# Altium PCB 256sog - killed.PcbDoc (part 2 of 4)
Units mm, origin at the board's own origin, x right, y up, seen from the top; angles counter-clockwise.
Board outline 297 x 210 mm, 4 copper layers (Top Layer, Power Plane, Ground Plane, Bottom Layer); 217 components, 330 nets, 1251 pads, 678 vias.
Unrouted connection lines stored in the file: 1.
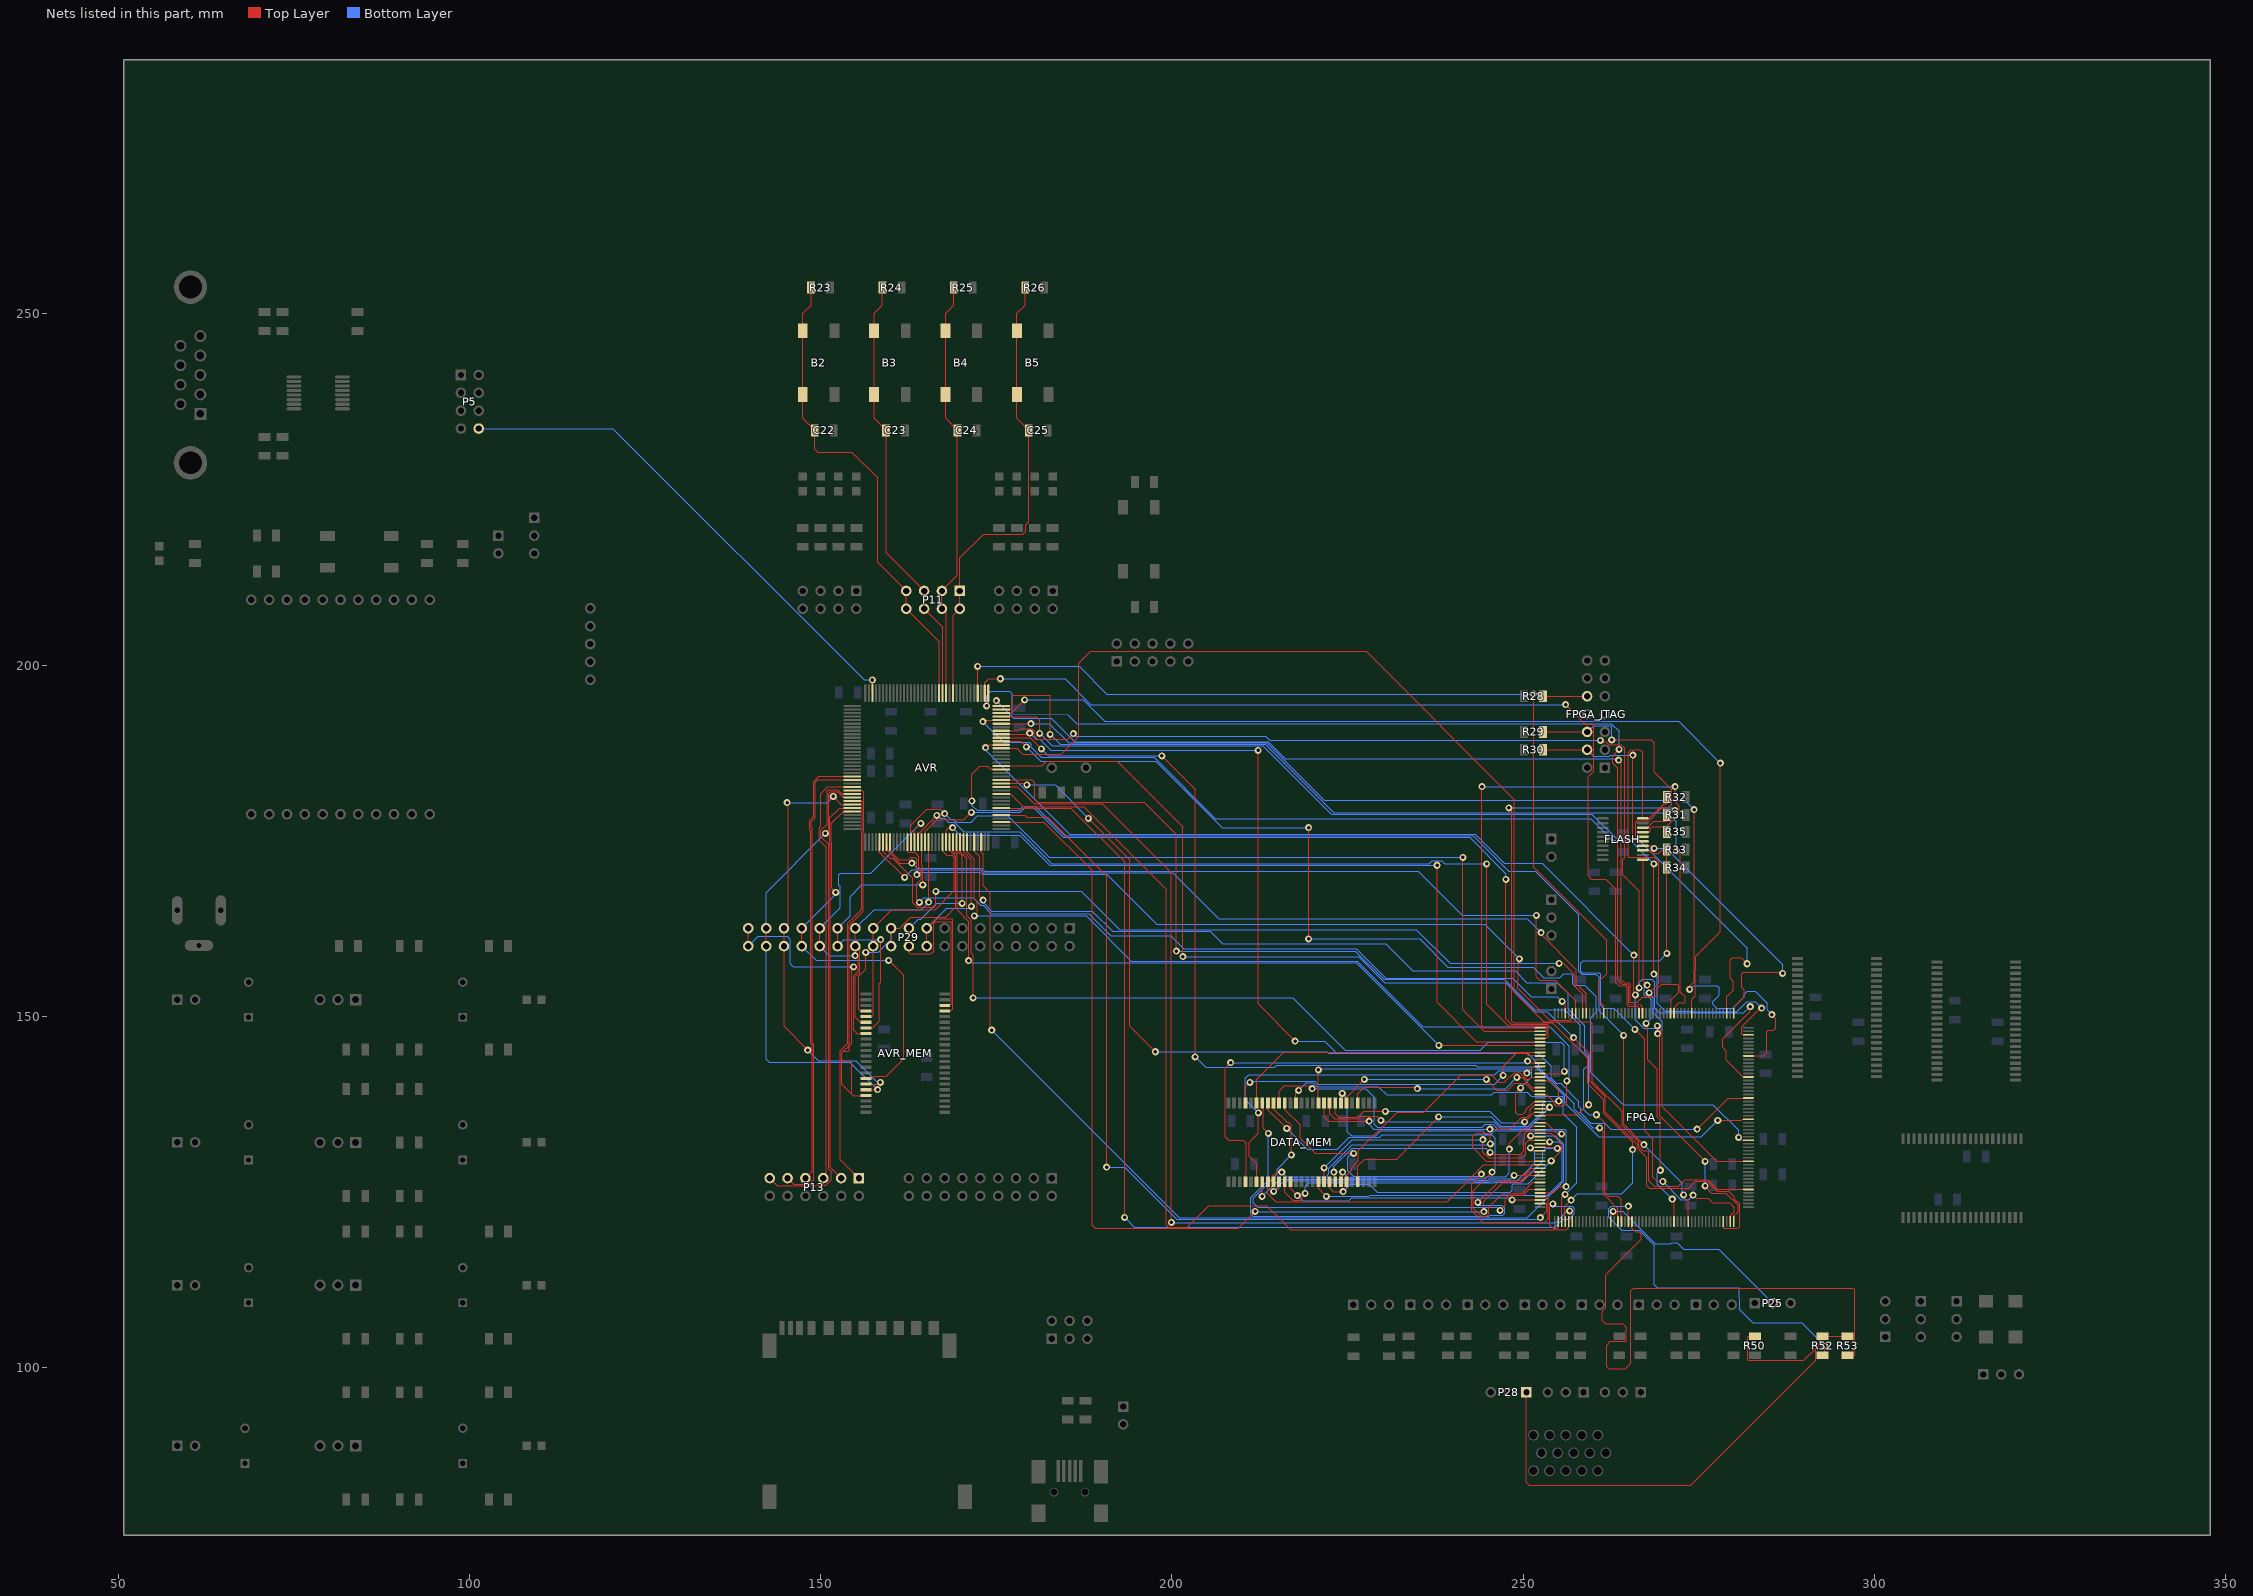
[diagram p4: the nets of this part, all layers, seen from the top]

## Via types
v1: diameter 1, hole 0.5, Top Layer to Bottom Layer, 678 vias

## Nets (pads, with @x,y where several pads share a name; then routed paths per layer and width w, separated by ;. In a path a pad name is that pad's centre, name@x,y a point inside that pad or via, vN(x,y) a via of type N, cw(c..) or ccw(c..) an arc to the next point about the centre after c; other vN are vias at no path point) (continued)
A8: AVR.101 AVR_MEM.19 P29.17 P29.18 | length 38.1
  Top Layer w0.1: P29.18@165.1,160.02 P29.17@165.1,162.56 166.486,163.946 168.74,163.946 168.777,163.909 168.777,151.104 168.453,150.78 AVR_MEM.19@167.652,150.78 ; AVR.101@170.35,174.82 170.35,173.431 171.45,172.331 v1(171.45,165.659)
  Bottom Layer w0.1: P29.17@165.1,162.56 167.977,165.437 171.228,165.437 v1(171.45,165.659)
A9: AVR.99 AVR_MEM.20 P29.19 P29.20 | length 44.6
  Top Layer w0.1: P29.19@162.56,162.56 P29.20@162.56,160.02 162.56,159.106 162.763,158.902 165.659,158.902 166.065,159.309 166.065,163.17 166.37,163.474 168.515,163.474 168.577,163.412 168.577,151.78 168.377,151.58 AVR_MEM.20@167.652,151.58 ; AVR.99@169.35,174.82 169.35,173.478 169.522,173.478 170.129,172.871 v1(170.129,166.091)
  Bottom Layer w0.1: P29.19@162.56,162.56 163.855,163.855 164.262,163.855 166.497,166.091 v1(170.129,166.091)
A10: AVR.97 AVR_MEM.26 P29.21 P29.22 | length 38.2
  Top Layer w0.1: v1(156.413,159.12) 156.413,156.699 155.423,155.709 155.423,151.009 155.651,150.78 AVR_MEM.26@156.452,150.78 ; P29.22@160.02,160.02 P29.21@160.02,162.56 161.239,162.56 162.839,164.16 167.767,164.16 169.212,165.605 169.212,172.803 168.35,173.664 AVR.97@168.35,174.82
  Bottom Layer w0.1: v1(156.413,159.12) 158.191,159.12 159.556,160.484 160.02,160.949 P29.21@160.02,162.56
A11: AVR.95 AVR_MEM.27 P29.23 P29.24 | length 35.3
  Top Layer w0.1: AVR_MEM.27@156.452,149.98 157.277,149.98 157.48,150.183 P29.24@157.48,160.02 P29.23@157.48,162.56 160.147,165.227 166.297,165.227 169.012,167.942 169.012,172.683 168.731,172.964 167.919,172.964 167.35,173.533 AVR.95@167.35,174.82
A12: AVR.91 AVR_MEM.28 P29.25 P29.26 | length 35.5
  Top Layer w0.1: P29.25@154.94,162.56 P29.26@154.94,160.02 155.565,159.395 155.565,156.251 154.94,155.626 154.94,149.891 155.651,149.18 AVR_MEM.28@156.452,149.18 ; v1(165.35,166.264) AVR.91@165.35,174.82
  Bottom Layer w0.1: P29.25@154.94,162.56 157.607,165.227 164.313,165.227 v1(165.35,166.264)
A13: AVR.89 AVR_MEM.29 P29.27 P29.28 | length 45.5
  Top Layer w0.1: P29.28@152.4,160.02 P29.27@152.4,162.56 ; AVR_MEM.29@156.452,148.38 157.378,148.38 158.344,149.346 158.344,154.66 158.547,154.863 v1(158.547,160.934) ; AVR.89@164.35,174.82 164.35,171.436 164.528,171.259 v1(164.528,168.732)
  Bottom Layer w0.1: P29.28@152.4,160.02 153.314,160.934 v1(158.547,160.934) ; P29.27@152.4,162.56 154.178,164.338 154.178,167.03 155.88,168.732 v1(164.528,168.732)
A14: AVR.87 AVR_MEM.30 P29.29 P29.30 | length 47.7
  Top Layer w0.1: P29.30@149.86,160.02 P29.29@149.86,162.56 ; v1(154.915,158.648) 155.338,158.225 155.338,156.424 154.737,155.823 154.737,148.063 155.219,147.58 AVR_MEM.30@156.452,147.58 ; AVR.87@163.35,174.82 163.35,176.558 v1(164.262,177.47)
  Bottom Layer w0.1: P29.30@149.86,160.02 151.232,158.648 v1(154.915,158.648) ; P29.29@149.86,162.56 152.806,165.506 152.806,168.478 152.603,168.681 152.603,170.155 152.806,170.358 157.15,170.358 v1(164.262,177.47)
A15: AVR.67 AVR_MEM.38 P29.31 P29.32 | length 58
  Top Layer w0.1: P29.32@147.32,160.02 P29.31@147.32,162.56 ; v1(152.146,167.665) 151.583,168.228 151.583,174.757 151.524,174.815 151.524,177.509 153.186,179.17 AVR.67@154.5,179.17 ; AVR_MEM.38@156.452,141.18 157.321,141.18 157.656,141.515 159.346,141.515 161.798,143.967 161.798,155.88 v1(159.679,157.998)
  Bottom Layer w0.1: P29.32@147.32,160.02 149.342,157.998 v1(159.679,157.998) ; P29.31@147.32,162.56 152.146,167.386 v1(152.146,167.665)
A16: AVR.65 AVR_MEM.39 P29.33 P29.34 | length 61.5
  Top Layer w0.1: v1(145.212,180.442) 145.415,180.238 145.415,163.195 P29.33@144.78,162.56 P29.34@144.78,160.02 144.78,148.59 v1(148.158,145.212) ; v1(151.79,181.331) 152.951,180.17 AVR.65@154.5,180.17 ; AVR_MEM.39@156.452,140.38 158.236,140.38 v1(158.496,140.64)
  Bottom Layer w0.1: v1(145.212,180.442) 150.901,180.442 v1(151.79,181.331) ; v1(148.158,145.212) 149.657,143.713 154.991,143.713 158.064,140.64 v1(158.496,140.64)
A17: AVR.63 AVR_MEM.40 P29.35 P29.36 | length 64.6
  Top Layer w0.1: P29.36@142.24,160.02 P29.35@142.24,162.56 ; v1(150.673,176.047) 151.124,176.499 151.124,181.731 151.384,181.991 152.4,181.991 153.221,181.17 AVR.63@154.5,181.17 ; AVR_MEM.40@156.452,139.58 v1(158.09,139.58)
  Bottom Layer w0.1: P29.36@142.24,160.02 142.24,143.916 142.646,143.51 154.16,143.51 v1(158.09,139.58) ; P29.35@142.24,162.56 142.24,167.615 v1(150.673,176.047)
A18: AVR.61 AVR_MEM.41 P29.37 P29.38 | length 91.3
  Top Layer w0.1: P29.38@139.7,160.02 P29.37@139.7,162.56 ; AVR.61@154.5,182.17 155.854,182.17 156.134,181.891 156.134,176.251 156.05,176.167 156.05,164.976 154.04,162.966 154.04,145.857 ; v1(154.686,157.074) 154.407,156.794 154.407,146.224 154.04,145.857 ; AVR_MEM.41@156.452,138.78 155.717,138.78 155.682,138.745 154.635,138.745 ; 153.005,143.938 153.005,144.822 ; 153.005,143.938 153.005,140.376 154.417,138.963 ; 153.005,143.938 153.213,143.73 154.146,143.73 154.417,143.459 154.417,138.963 ; 153.005,143.938 153.005,144.822 ; 153.005,144.822 153.213,145.03 ; 153.005,144.822 153.213,145.03 ; 153.213,145.03 153.956,145.03 154.04,145.114 154.04,145.857 ; 153.213,145.03 154.04,145.857 ; 154.417,138.963 154.635,138.745 ; 154.417,138.963 154.635,138.745
  Bottom Layer w0.1: P29.38@139.7,160.02 141.1,161.42 145.209,161.42 145.694,160.934 145.694,157.48 146.101,157.074 v1(154.686,157.074)
BLUE: P28.1 R50.2 R52.2 R53.2 | length 84.7
  Top Layer w0.1: P28.1@250.444,96.52 250.444,83.718 250.876,83.287 273.812,83.287 291.592,101.067 291.592,102.743 ; R50.2@282.956,104.474 282.042,104.474 281.94,104.372 281.94,101.168 282.042,101.067 289.916,101.067 291.592,102.743 ; R53.2@296.164,104.474 R52.2@292.608,104.474 292.303,104.474 292.303,103.454 ; 291.592,102.743 292.303,103.454 ; 291.592,102.743 292.303,103.454
BLUE0: FPGA_.69 P25.2 | length 29.8
  Top Layer w0.1: FPGA_.69@262.458,120.811 262.458,121.92 v1(262.788,122.25)
  Bottom Layer w0.1: v1(262.788,122.25) 264.16,122.25 268.769,117.642 270.98,117.642 271.159,117.82 271.909,117.82 272.839,116.891 277.825,116.891 P25.2@285.496,109.22
BLUE1: FPGA_.74 R52.1 | length 51.4
  Top Layer w0.1: FPGA_.74@264.958,120.811 v1(264.958,123.012) ; R52.1@292.608,101.774 292.913,101.774 v1(292.913,103.124)
  Bottom Layer w0.1: v1(264.958,123.012) 262.534,123.012 262.128,122.606 262.128,121.463 264.043,119.547 266.497,119.547 268.63,117.414 268.63,111.836 269.037,111.43 280.695,111.43 280.721,108.331 282.651,106.401 289.636,106.401 v1(292.913,103.124)
BLUE2: FPGA_.75 R53.1 | length 85.7
  Top Layer w0.1: FPGA_.75@265.458,120.811 265.458,119.888 265.999,119.347 266.407,119.347 266.766,118.988 266.766,118.262 261.758,113.255 261.758,108.545 261.264,108.052 261.264,106.705 261.722,106.248 264.16,106.248 264.652,105.756 264.652,103.759 262.407,103.759 261.874,103.226 261.874,100.127 262.128,99.873 264.516,99.873 265.303,100.66 265.303,110.947 265.709,111.354 296.977,111.354 297.18,111.15 297.18,101.876 297.078,101.774 R53.1@296.164,101.774
BTN0: AVR.11 B5.3 B5.4 C25.2 P11.1 P11.2 R26.1 | length 66.7
  Top Layer w0.1: AVR.11@168.85,196.02 168.85,198.302 168.844,198.308 168.844,207.071 P11.2@169.799,208.026 P11.1@169.799,210.566 169.799,215.265 173.177,218.643 178.791,218.643 179.197,219.05 179.197,219.964 179.625,220.392 C25.2@179.625,233.426 177.927,235.124 B5.4@177.927,238.506 B5.3@177.927,247.606 177.927,250.063 179.117,251.253 R26.1@179.117,253.746
BTN1: AVR.13 B4.3 B4.4 C24.2 P11.3 P11.4 R25.1 | length 60.1
  Top Layer w0.1: AVR.13@167.85,196.02 167.85,207.435 P11.4@167.259,208.026 P11.3@167.259,210.566 169.465,212.772 C24.2@169.465,233.426 167.767,235.124 B4.4@167.767,238.506 B4.3@167.767,247.606 167.767,250.063 168.957,251.253 R25.1@168.957,253.746
BTN2: AVR.14 B3.3 B3.4 C23.2 P11.5 P11.6 R24.1 | length 62.3
  Top Layer w0.1: R24.1@158.797,253.746 158.797,251.253 157.607,250.063 B3.3@157.607,247.606 B3.4@157.607,238.506 157.607,235.124 C23.2@159.305,233.426 159.305,215.98 P11.5@164.719,210.566 P11.6@164.719,208.026 167.35,205.395 AVR.14@167.35,196.02
BTN3: AVR.15 B2.3 B2.4 C22.2 P11.7 P11.8 R23.1 | length 69.1
  Top Layer w0.1: R23.1@148.637,253.746 148.637,251.253 147.447,250.063 B2.3@147.447,247.606 B2.4@147.447,238.506 147.447,235.124 C22.2@149.145,233.426 149.145,230.712 149.555,230.302 154.432,230.302 158.09,226.644 158.09,214.655 P11.7@162.179,210.566 P11.8@162.179,208.026 166.85,203.355 AVR.15@166.85,196.02
"CD - DAT3": AVR.62 P13.11 | length 69.8
  Top Layer w0.1: P13.11@142.748,127 143.848,125.9 149.313,125.9 149.416,126.003 150.692,126.003 151.486,126.797 151.486,127.94 151.13,128.295 151.13,174.493 150.023,175.601 150.023,176.481 150.924,177.383 150.924,182.155 151.065,182.296 152.4,182.296 153.026,181.67 AVR.62@154.5,181.67
CLK: AVR.57 P13.7 | length 63
  Top Layer w0.1: P13.7@147.828,127 148.819,127.991 148.819,145.877 148.59,146.105 148.59,176.354 148.426,176.518 148.426,177.932 148.994,178.5 148.994,183.406 149.758,184.17 AVR.57@154.5,184.17
CMD: AVR.58 P13.9 | length 66.8
  Top Layer w0.1: P13.9@145.288,127 146.188,126.1 148.35,126.1 149.019,126.768 149.019,146.077 148.819,146.277 148.819,176.718 148.626,176.911 148.626,177.732 149.194,178.3 149.194,183.309 149.555,183.67 AVR.58@154.5,183.67
CTS: AVR.34 P5.8 | length 72.7
  Top Layer w0.1: AVR.34@157.35,196.02 v1(157.35,197.891)
  Bottom Layer w0.1: P5.8@101.346,233.68 120.396,233.68 156.185,197.891 v1(157.35,197.891)
DAT0: AVR.60 P13.5 | length 60.2
  Top Layer w0.1: P13.5@150.368,127 150.774,127.406 150.774,174.1 149.823,175.052 149.823,176.897 150.026,177.101 150.026,181.677 151.019,182.67 AVR.60@154.5,182.67
DAT1: AVR.66 P13.3 | length 55.7
  Top Layer w0.1: P13.3@152.908,127 151.383,128.525 151.383,174.557 151.324,174.615 151.324,178.307 152.687,179.67 AVR.66@154.5,179.67
DAT2: AVR.64 P13.1 | length 57.4
  Top Layer w0.1: AVR.64@154.5,180.67 155.804,180.67 155.931,180.543 155.931,176.521 155.85,176.44 155.85,165.273 153.84,163.263 153.84,146.162 152.805,145.127 152.805,129.643 P13.1@155.448,127
DATA_A0: DATA_MEM.11 FPGA_.22 | length 46.8
  Top Layer w0.1: DATA_MEM.11@220.84,137.68 v1(220.84,142.392) ; v1(249.631,139.852) 248.905,139.126 248.905,136.271 249.123,136.053 249.936,136.053 250.358,136.475 250.358,136.703 251.541,137.886 FPGA_.22@252.383,137.886
  Bottom Layer w0.1: v1(220.84,142.392) 221.033,142.585 251.13,142.585 251.181,142.535 251.181,141.402 v1(249.631,139.852)
DATA_A1: DATA_MEM.10 FPGA_.23 | length 35.5
  Top Layer w0.1: DATA_MEM.10@221.64,137.68 221.64,135.738 222.275,135.103 v1(228.067,135.103) ; v1(245.237,133.985) 248.089,133.985 249.758,135.654 250.468,135.654 250.958,136.144 250.958,136.799 251.545,137.386 FPGA_.23@252.383,137.386
  Bottom Layer w0.1: v1(228.067,135.103) 228.067,134.655 228.737,133.985 v1(245.237,133.985)
DATA_A2: DATA_MEM.9 FPGA_.24 | length 36.6
  Top Layer w0.1: DATA_MEM.9@222.44,137.68 222.44,136.144 223.129,135.455 226.589,135.455 226.902,135.768 229.179,135.768 v1(229.718,135.23) ; FPGA_.24@252.383,136.886 253.548,136.886 v1(253.746,137.084)
  Bottom Layer w0.1: v1(229.718,135.23) 229.907,135.04 245.784,135.04 246.673,134.151 250.813,134.151 v1(253.746,137.084)
DATA_A3: DATA_MEM.8 FPGA_.25 | length 32.5
  Top Layer w0.1: DATA_MEM.8@223.24,137.68 223.24,136.144 223.729,135.655 226.416,135.655 227.26,136.5 v1(230.378,136.5) ; v1(250.177,135.001) 251.562,136.386 FPGA_.25@252.383,136.386
  Bottom Layer w0.1: v1(230.378,136.5) 245.245,136.5 246.888,134.857 250.032,134.857 v1(250.177,135.001)
DATA_A4: DATA_MEM.7 FPGA_.28 | length 42.4
  Top Layer w0.1: DATA_MEM.7@224.04,137.68 224.04,138.874 v1(224.231,139.065) ; FPGA_.28@252.383,134.886 253.251,134.886 254.838,133.299 v1(255.448,133.299)
  Bottom Layer w0.1: v1(224.231,139.065) 224.968,138.328 224.968,133.604 225.552,133.02 229.032,133.02 229.718,133.706 244.219,133.706 244.59,133.335 245.516,133.335 245.887,133.706 255.041,133.706 v1(255.448,133.299)
DATA_A5: DATA_MEM.48 FPGA_.29 | length 35.6
  Top Layer w0.1: DATA_MEM.48@224.04,126.48 224.04,127.61 v1(224.294,127.864) ; v1(248.006,131.14) 248.006,131.962 250.126,134.083 250.948,134.083 251.251,134.386 FPGA_.29@252.383,134.386
  Bottom Layer w0.1: v1(224.294,127.864) 225.098,127.059 243.596,127.059 243.752,126.903 244.427,126.903 244.727,127.203 247.472,127.203 248.006,127.737 v1(248.006,131.14)
DATA_A6: DATA_MEM.47 FPGA_.30 | length 35.9
  Top Layer w0.1: v1(223.037,127.838) 223.24,127.634 DATA_MEM.47@223.24,126.48 ; v1(245.262,130.658) 245.535,130.385 249.619,130.385 250.095,130.861 250.095,132.521 250.239,132.665 250.239,133.299 250.736,133.796 251.37,133.796 251.46,133.886 FPGA_.30@252.383,133.886
  Bottom Layer w0.1: v1(223.037,127.838) 223.037,128.676 225.628,131.267 244.653,131.267 v1(245.262,130.658)
DATA_A7: DATA_MEM.46 FPGA_.31 | length 42.6
  Top Layer w0.1: DATA_MEM.46@222.44,126.48 222.44,125.578 222.956,125.062 v1(224.351,125.062) ; FPGA_.31@252.383,133.386 254,133.386 255.488,131.898 255.488,130.952 v1(253.975,129.438)
  Bottom Layer w0.1: v1(224.351,125.062) 225.4,126.111 228.067,126.111 229.184,124.993 248.107,124.993 248.412,125.298 248.412,125.984 248.615,126.187 250.723,126.187 v1(253.975,129.438)
DATA_A8: DATA_MEM.45 FPGA_.33 | length 38.5
  Top Layer w0.1: DATA_MEM.45@221.64,126.48 v1(221.64,128.447) ; v1(244.246,132.486) 244.246,130.683 245.059,129.87 249.863,129.87 250.353,130.36 250.353,131.968 250.738,132.353 251.649,132.353 251.682,132.386 FPGA_.33@252.383,132.386
  Bottom Layer w0.1: v1(221.64,128.447) 225.679,132.486 v1(244.246,132.486)
DATA_A9: DATA_MEM.44 FPGA_.34 | length 45.5
  Top Layer w0.1: DATA_MEM.44@220.84,126.48 220.84,125.54 v1(221.971,124.409) ; FPGA_.34@252.383,131.886 253.476,131.886 v1(253.746,132.156)
  Bottom Layer w0.1: v1(221.971,124.409) 228.016,124.409 228.194,124.587 253.467,124.587 255.508,126.628 255.508,131.674 255.025,132.156 v1(253.746,132.156)
DATA_A10: DATA_MEM.38 FPGA_.35 | length 47.9
  Top Layer w0.1: DATA_MEM.38@216.04,126.48 216.04,125.016 217.195,123.861 218.237,123.861 218.516,124.14 218.516,124.384 v1(218.948,124.816) ; FPGA_.35@252.383,131.386 254.694,131.386 v1(254.838,131.242)
  Bottom Layer w0.1: v1(218.948,124.816) 218.948,125.806 219.456,126.314 242.826,126.314 242.837,126.303 245.922,126.303 246.009,126.39 249.784,126.39 252.781,129.388 252.781,130.835 253.187,131.242 v1(254.838,131.242)
DATA_A11: DATA_MEM.37 FPGA_.36 | length 44.8
  Top Layer w0.1: v1(214.478,125.095) 214.757,125.095 215.24,125.578 DATA_MEM.37@215.24,126.48 ; v1(251.003,131.318) 251.435,130.886 FPGA_.36@252.383,130.886
  Bottom Layer w0.1: v1(214.478,125.095) 216.002,126.619 243.026,126.619 243.142,126.503 245.127,126.503 245.242,126.619 249.149,126.619 251.658,129.128 251.658,130.663 v1(251.003,131.318)
DATA_A12: DATA_MEM.36 FPGA_.39 | length 50.7
  Top Layer w0.1: DATA_MEM.36@214.44,126.48 214.44,127.406 214.897,127.864 v1(215.621,127.864) ; v1(245.313,131.877) 245.313,133.02 244.936,133.397 243.278,133.397 242.773,132.893 242.773,131.369 244.756,129.386 FPGA_.39@252.383,129.386
  Bottom Layer w0.1: v1(215.621,127.864) 216.281,127.203 221.92,127.203 222.326,127.61 222.326,128.422 225.654,131.75 245.186,131.75 v1(245.313,131.877)
DATA_A13: DATA_MEM.35 FPGA_.40 | length 43.1
  Top Layer w0.1: DATA_MEM.35@213.64,126.48 213.64,124.765 214.744,123.661 239.163,123.661 244.388,128.886 FPGA_.40@252.383,128.886
DATA_A14: DATA_MEM.34 FPGA_.41 | length 43.4
  Top Layer w0.1: v1(212.84,124.397) DATA_MEM.34@212.84,126.48 ; v1(248.679,127.394) 250.036,127.394 251.028,128.386 FPGA_.41@252.383,128.386
  Bottom Layer w0.1: v1(212.84,124.397) 215.302,126.859 243.291,126.859 243.447,126.703 244.927,126.703 245.147,126.924 248.209,126.924 v1(248.679,127.394)
DATA_A15: DATA_MEM.21 FPGA_.42 | length 69.3
  Top Layer w0.1: DATA_MEM.21@212.84,137.68 212.84,136.928 212.954,136.814 212.954,134.112 v1(213.716,133.35) ; v1(243.535,123.546) 246.719,126.729 249.694,126.729 250.85,127.886 FPGA_.42@252.383,127.886
  Bottom Layer w0.1: v1(213.716,133.35) 213.716,126.721 211.176,124.181 211.176,121.92 211.522,121.573 245.058,121.573 245.227,121.742 247.091,121.742 247.335,121.986 247.335,122.497 247.328,122.504 247.328,122.733 246.922,123.139 243.738,123.139 243.535,123.342 v1(243.535,123.546)
DATA_A16: DATA_MEM.20 FPGA_.45 | length 60.3
  Top Layer w0.1: DATA_MEM.20@213.64,137.68 213.64,136.754 v1(216.332,134.061) ; v1(245.567,127.864) 242.875,125.171 242.875,122.733 244.034,121.573 244.711,121.573 245.058,121.92 245.058,122.833 247.033,124.808 249.781,124.808 251.358,126.386 FPGA_.45@252.383,126.386
  Bottom Layer w0.1: v1(216.332,134.061) 219.253,131.14 223.545,131.14 225.196,132.791 229.54,132.791 229.895,133.147 244.378,133.147 244.39,133.135 245.477,133.135 245.974,132.639 245.974,128.27 v1(245.567,127.864)
DATA_A17: DATA_MEM.19 FPGA_.47 | length 60.6
  Top Layer w0.1: DATA_MEM.19@214.44,137.68 214.44,136.855 216.37,134.925 216.586,134.925 216.992,134.518 v1(216.992,130.317) ; v1(246.685,122.403) 247.421,123.139 247.421,124.079 247.904,124.562 250.001,124.562 250.825,125.386 FPGA_.47@252.383,125.386
  Bottom Layer w0.1: v1(216.992,130.317) 214.971,128.295 214.971,127.518 211.59,124.137 211.59,123.48 212.194,122.875 246.213,122.875 v1(246.685,122.403)
DATA_A18: DATA_MEM.18 FPGA_.48 | length 60.2
  Top Layer w0.1: DATA_MEM.18@215.24,137.68 215.24,139.395 215.974,140.129 219.535,140.129 v1(219.939,139.725) ; FPGA_.48@252.383,124.886 254.294,124.886 255.194,125.786 v1(256.108,125.786)
  Bottom Layer w0.1: v1(219.939,139.725) 227.584,139.725 228.803,138.506 228.803,134.645 229.21,134.239 244.189,134.239 244.59,134.64 245.669,134.64 246.358,133.951 255.863,133.951 256.108,133.706 v1(256.108,125.786)
DATA_A19: DATA_MEM.17 FPGA_.49 | length 58.6
  Top Layer w0.1: DATA_MEM.17@216.04,137.68 216.04,136.755 218.237,134.558 218.237,132.664 220.396,130.505 v1(225.857,130.505) ; v1(244.043,127.559) 242.672,126.187 242.672,122.326 244.261,120.737 253.075,120.737 253.553,121.214 253.553,124.041 253.208,124.386 FPGA_.49@252.383,124.386
  Bottom Layer w0.1: v1(225.857,130.505) 225.577,130.505 225.019,129.946 225.019,128.016 225.775,127.259 243.744,127.259 v1(244.043,127.559)
DATA_A20: DATA_MEM.39 FPGA_.50 | length 37.5
  Top Layer w0.1: DATA_MEM.39@216.84,126.48 216.84,125.527 v1(217.856,124.511) ; v1(248.412,123.886) FPGA_.50@252.383,123.886
  Bottom Layer w0.1: v1(217.856,124.511) 218.607,123.759 225.154,123.759 225.591,124.196 248.102,124.196 v1(248.412,123.886)
DATA_I/O0: DATA_MEM.22 FPGA_.8 | length 45.4
  Top Layer w0.1: DATA_MEM.22@212.04,137.68 212.04,141.072 215.908,144.939 250.639,144.939 250.692,144.886 FPGA_.8@252.383,144.886
DATA_I/O1: DATA_MEM.24 FPGA_.9 | length 47.4
  Top Layer w0.1: DATA_MEM.24@210.44,137.68 210.44,140.006 v1(211.074,140.64) ; v1(247.142,141.605) 247.142,142.885 248.996,144.739 250.439,144.739 250.691,144.487 251.269,144.487 FPGA_.9@252.383,144.386
  Bottom Layer w0.1: v1(211.074,140.64) 211.187,140.753 220.282,140.753 220.649,140.386 245.923,140.386 v1(247.142,141.605)
DATA_I/O2: DATA_MEM.31 FPGA_.11 | length 63.9
  Top Layer w0.1: v1(208.356,143.434) 207.594,142.672 207.594,132.893 208.077,132.41 210.109,132.41 210.566,131.953 210.566,127.888 DATA_MEM.31@210.44,126.48 ; v1(250.622,143.637) 250.873,143.386 FPGA_.11@252.383,143.386
  Bottom Layer w0.1: v1(208.356,143.434) 250.419,143.434 v1(250.622,143.637)
DATA_I/O3: DATA_MEM.33 FPGA_.12 | length 59.4
  Top Layer w0.1: DATA_MEM.33@212.04,126.48 212.04,129.057 210.998,130.1 210.998,132.08 212.293,133.375 v1(212.293,136.271) ; v1(250.52,141.935) 251.471,142.886 FPGA_.12@252.383,142.886
  Bottom Layer w0.1: v1(212.293,136.271) 210.414,138.151 210.414,141.224 210.922,141.732 245.969,141.732 246.492,142.255 250.2,142.255 v1(250.52,141.935)
DATA_I/O4: DATA_MEM.49 FPGA_.15 | length 37
  Top Layer w0.1: DATA_MEM.49@224.84,126.48 224.84,127.406 225.577,128.144 225.577,128.473 226.543,129.438 226.543,130.861 232.054,136.373 235.864,136.373 241.198,141.707 245.415,141.707 246.507,140.614 247.32,140.614 248.706,142.001 249.53,142.001 250.449,141.082 250.851,141.082 251.155,141.386 FPGA_.15@252.383,141.386
DATA_I/O5: DATA_MEM.51 FPGA_.16 | length 41.3
  Top Layer w0.1: DATA_MEM.51@226.44,126.48 226.44,128.753 227.405,129.718 231.953,129.718 v1(237.947,135.712) ; FPGA_.16@252.383,140.886 253.703,140.886 255.041,139.548 v1(255.041,137.973)
  Bottom Layer w0.1: v1(237.947,135.712) 245.404,135.712 246.765,134.351 250.708,134.351 252.781,136.423 252.781,137.566 253.187,137.973 v1(255.041,137.973)
DATA_I/O6: DATA_MEM.4 FPGA_.18 | length 29
  Top Layer w0.1: DATA_MEM.4@226.44,137.68 226.44,138.989 227.359,139.908 234.742,139.908 v1(234.925,139.725) ; v1(249.098,141.351) 249.833,141.351 251.298,139.886 FPGA_.18@252.383,139.886
  Bottom Layer w0.1: v1(234.925,139.725) 247.472,139.725 v1(249.098,141.351)
DATA_I/O7: DATA_MEM.6 FPGA_.19 | length 30.9
  Top Layer w0.1: DATA_MEM.6@224.84,137.68 224.84,138.5 v1(227.386,141.046) ; v1(244.744,141.046) 246.254,139.536 247.769,139.536 248.736,140.502 250.281,140.502 251.398,139.386 FPGA_.19@252.383,139.386
  Bottom Layer w0.1: v1(227.386,141.046) v1(244.744,141.046)
DATA_WE: DATA_MEM.15 FPGA_.55 | length 60.6
  Top Layer w0.1: DATA_MEM.15@217.64,137.68 217.64,139.103 v1(218.008,139.471) ; FPGA_.55@255.458,120.811 255.458,124.191 v1(255.956,124.689)
  Bottom Layer w0.1: v1(218.008,139.471) 219.09,140.553 220.051,140.553 220.574,140.03 229.362,140.03 230.556,138.836 245.491,138.836 245.847,139.192 250.546,139.192 251.106,138.631 255.509,138.631 255.697,138.443 255.697,136.177 257.63,134.244 257.63,126.363 v1(255.956,124.689)
F_CLK: FLASH.3 FPGA_.103 R33.1 R34.2 | length 84.5
  Top Layer w0.1: v1(265.887,148.158) 267.274,146.772 267.274,133.706 268.427,132.552 268.427,127.127 269.037,126.517 v1(269.875,126.517) ; FLASH.3@267.01,173.635 267.966,173.635 268.351,173.25 269.255,173.25 269.742,173.736 R33.1@270.43,173.736 R34.2@270.43,171.196 v1(270.43,158.979) ; v1(274.168,124.562) 274.599,124.13 276.301,124.13 276.962,123.469 279.397,123.469 280.056,122.811 280.056,122.213 279.458,121.615 FPGA_.103@279.458,120.811
  Bottom Layer w0.1: v1(265.887,148.158) 262.865,151.181 261.391,151.181 260.985,151.587 260.985,156.017 260.756,156.246 258.409,156.246 258.191,156.464 258.191,157.607 258.547,157.963 269.414,157.963 v1(270.43,158.979) ; v1(269.875,126.517) 272.44,123.952 273.558,123.952 v1(274.168,124.562)
F_DIN: FLASH.1 FPGA_.87 | length 54.9
  Top Layer w0.1: FLASH.1@267.01,172.335 267.056,172.335 267.056,155.016 v1(267.614,154.457) ; v1(267.487,149.022) 267.513,149.022 267.691,148.844 267.691,143.866 269.088,142.469 269.088,135.761 269.494,135.355 v1(269.494,128.118) ; v1(271.196,124.003) 271.211,124.003 271.465,123.749 271.465,121.683 FPGA_.87@271.458,120.811
  Bottom Layer w0.1: v1(267.487,149.022) 268.203,149.737 268.203,152.4 267.888,152.715 267.538,152.715 267.244,153.01 267.244,154.007 267.614,154.378 v1(267.614,154.457) ; v1(269.494,128.118) 269.088,127.711 269.088,126.111 v1(271.196,124.003)
F_DONE: FLASH.10 FPGA_.104 R32.2 | length 95.5
  Top Layer w0.1: v1(267.894,153.365) 269.24,154.711 269.24,172.05 268.63,172.66 265.024,172.66 264.922,172.762 264.922,187.528 265.379,187.985 266.598,187.985 267.005,187.579 267.005,178.185 FLASH.10@267.01,178.185 267.942,178.185 270.043,180.285 270.43,180.285 R32.2@270.43,181.229 ; v1(269.1,147.561) 269.392,147.269 269.392,135.856 v1(275.869,129.379) ; v1(275.869,125.882) 275.869,125.748 276.764,124.854 278.838,124.854 280.568,123.123 280.568,122.226 279.958,121.615 FPGA_.104@279.958,120.811
  Bottom Layer w0.1: v1(267.894,153.365) 267.894,153.314 268.503,152.705 268.503,150.52 269.738,149.286 269.738,148.199 v1(269.1,147.561) ; v1(275.869,125.882) v1(275.869,129.379)
F_INIT_B: FLASH.8 FPGA_.56 R31.2 | length 107.5
  Top Layer w0.1: v1(247.929,179.705) 248.361,179.273 248.361,149.352 248.637,149.076 254.102,149.076 259.136,144.041 259.136,140.457 261.417,138.176 261.417,136.22 265.557,132.08 v1(265.557,131.064) ; FPGA_.56@255.958,120.811 255.958,121.588 255.93,121.615 255.93,123.012 v1(256.794,123.876) ; FLASH.8@267.01,176.885 267.868,176.885 267.868,177.063 268.597,177.792 270.43,177.792 R31.2@270.43,178.689 270.43,179.324 v1(271.577,179.324)
  Bottom Layer w0.1: v1(247.929,179.705) 271.196,179.705 v1(271.577,179.324) ; v1(256.794,123.876) 257.683,124.765 264.008,124.765 265.557,126.314 v1(265.557,131.064)
F_PROG_B: FLASH.7 FPGA_.1 R35.2 | length 82
  Top Layer w0.1: v1(244.119,182.728) 244.119,148.666 244.4,148.386 FPGA_.1@252.383,148.386 ; FLASH.7@267.01,176.235 267.919,176.235 268.081,176.397 268.081,176.819 268.249,176.987 270.43,176.987 R35.2@270.43,176.276 270.51,177.14 272.227,178.856 272.227,179.934 271.602,180.558 v1(271.602,182.728)
  Bottom Layer w0.1: v1(244.119,182.728) v1(271.602,182.728)
F_TCK: FLASH.6 FPGA_JTAG.6 R29.2 | length 37.4
  Top Layer w0.1: R29.2@252.81,190.5 FPGA_JTAG.6@259.08,190.5 ; v1(262.585,189.357) 268.224,189.357 268.63,188.951 268.63,184.76 271.145,182.245 271.145,180.213 270.621,179.689 269.73,179.689 267.901,177.86 266.192,177.86 265.989,177.657 265.989,175.687 266.09,175.585 FLASH.6@267.01,175.585
  Bottom Layer w0.1: FPGA_JTAG.6@259.08,190.5 259.994,191.414 262.433,191.414 262.585,191.262 v1(262.585,189.357)
F_TDI: FPGA_JTAG.10 R28.2 | length 6.3
  Top Layer w0.1: R28.2@252.81,195.58 FPGA_JTAG.10@259.08,195.58
F_TDO: FLASH.4 FPGA_.157 | length 40.5
  Top Layer w0.1: FLASH.4@267.01,174.285 268.259,174.285 v1(268.63,173.914) ; FPGA_.157@279.958,150.461 279.958,151.343 281.422,152.806 281.422,153.761 281.063,154.12 281.063,156.058 281.29,156.284 286.768,156.284 v1(286.918,156.134)
  Bottom Layer w0.1: v1(268.63,173.914) 270.358,173.914 286.918,157.353 v1(286.918,156.134)
F_TMS: FLASH.5 FPGA_JTAG.4 R30.2 | length 26.6
  Top Layer w0.1: R30.2@252.81,187.96 FPGA_JTAG.4@259.08,187.96 ; v1(265.582,187.198) 265.582,175.412 266.06,174.935 FLASH.5@267.01,174.935
  Bottom Layer w0.1: FPGA_JTAG.4@259.08,187.96 259.994,187.046 262.255,187.046 262.407,187.198 v1(265.582,187.198)
FPGA_I/O_0: AVR.77 FPGA_.199 | length 115.4
  Top Layer w0.1: AVR.77@158.35,174.82 158.35,173.399 v1(161.95,169.799) ; v1(252.527,161.925) 252.527,161.679 257.531,156.675 257.531,154.635 258.958,153.208 FPGA_.199@258.958,150.461
  Bottom Layer w0.1: v1(161.95,169.799) 163.02,170.869 172.719,170.869 173.16,170.427 200.133,170.427 206.68,163.881 250.571,163.881 v1(252.527,161.925)
FPGA_I/O_1: AVR.78 FPGA_.200 | length 118
  Top Layer w0.1: AVR.78@158.85,174.82 158.85,173.533 159.87,172.512 160.278,172.512 163.119,169.672 163.119,166.218 163.754,165.583 166.178,165.583 166.406,165.811 v1(166.406,167.818) ; v1(255.092,157.551) 255.698,157.551 257.264,155.985 257.264,154.368 258.458,153.174 FPGA_.200@258.458,150.461
  Bottom Layer w0.1: v1(166.406,167.818) 187.112,167.818 192.573,162.357 234.772,162.357 239.578,157.551 v1(255.092,157.551)
FPGA_I/O_2: AVR.79 FPGA_.202 | length 114.9
  Top Layer w0.1: AVR.79@159.35,174.82 159.512,173.584 161.265,171.831 v1(162.992,171.831) ; v1(251.866,164.389) 251.866,155.651 252.349,155.169 254.523,155.169 257.458,152.233 FPGA_.202@257.458,150.461
  Bottom Layer w0.1: v1(162.992,171.831) 163.754,171.069 172.923,171.069 173.355,170.637 235.026,170.637 241.275,164.389 v1(251.866,164.389)
FPGA_I/O_3: AVR.80 FPGA_.203 | length 113.8
  Top Layer w0.1: AVR.80@159.85,174.82 159.85,173.576 161.126,172.3 162.496,172.3 162.839,172.644 163.373,172.644 163.678,172.339 v1(163.678,170.205) ; v1(249.428,158.217) 249.326,158.217 249.225,154.025 253.752,149.498 256.845,149.498 FPGA_.203@256.958,150.461
  Bottom Layer w0.1: v1(163.678,170.205) 164.033,170.561 172.627,170.561 172.96,170.227 190.732,170.227 197.841,163.119 244.526,163.119 v1(249.428,158.217)
FPGA_I/O_4: AVR.85 FPGA_.205 | length 110
  Top Layer w0.1: AVR.85@162.35,174.82 162.35,173.54 162.509,173.38 163.373,173.38 163.982,172.771 163.982,171.211 164.328,170.866 164.328,169.52 163.703,168.895 163.703,166.573 v1(164.033,166.243) ; v1(255.524,152.146) 255.958,151.712 FPGA_.205@255.958,150.461
  Bottom Layer w0.1: v1(164.033,166.243) 164.705,166.914 171.685,166.914 172.796,165.803 173.109,165.803 174.27,164.643 188.163,164.643 191.313,161.493 199.796,161.493 201.676,159.614 226.246,159.614 230.387,155.473 248.514,155.473 251.155,152.832 254.838,152.832 v1(255.524,152.146)
FPGA_I/O_5: AVR.86 FPGA_.2 | length 119.5
  Top Layer w0.1: AVR.86@162.85,174.82 162.85,177.253 165.088,179.491 166.997,179.491 v1(167.63,178.858) ; v1(241.402,172.644) 241.402,150.927 244.442,147.886 FPGA_.2@252.383,147.886
  Bottom Layer w0.1: v1(167.63,178.858) 168.449,178.039 168.892,178.039 169.298,177.634 171.411,177.634 172.317,178.54 176.653,178.54 182.55,172.644 v1(241.402,172.644)
FPGA_I/O_6: AVR.88 FPGA_.3 | length 118.4
  Top Layer w0.1: AVR.88@163.85,174.82 163.85,176.174 164.084,176.174 v1(166.548,178.638) ; v1(244.78,171.729) 244.78,151.74 247.853,148.666 253.187,148.666 253.314,148.539 253.314,147.513 253.187,147.386 FPGA_.3@252.383,147.386
  Bottom Layer w0.1: v1(166.548,178.638) 167.005,178.181 167.624,178.181 168.156,177.649 168.997,177.649 170.345,176.301 178.333,176.301 182.905,171.729 236.615,171.729 237.069,172.183 238.369,172.183 238.823,171.729 v1(244.78,171.729)
FPGA_I/O_7: AVR.90 FPGA_.4 | length 119.4
  Top Layer w0.1: AVR.90@164.85,174.82 164.85,176.331 166.507,177.988 170.379,177.988 v1(171.455,179.064) ; v1(247.523,169.52) 247.523,149.648 248.295,148.876 253.409,148.876 253.517,148.768 253.517,147.117 253.287,146.886 FPGA_.4@252.383,146.886
  Bottom Layer w0.1: v1(171.455,179.064) 178.399,179.064 179.03,179.695 180.34,179.695 184.527,175.507 242.348,175.507 247.523,170.332 v1(247.523,169.52)
FPGA_I/O_CTRL: AVR.96 FPGA_.5 | length 110.4
  Top Layer w0.1: AVR.96@167.85,174.82 167.85,176.505 168.224,176.879 v1(168.783,176.879) ; v1(237.719,171.526) 237.719,151.994 243.326,146.386 FPGA_.5@252.383,146.386
  Bottom Layer w0.1: v1(168.783,176.879) 169.894,175.768 178.333,175.768 182.575,171.526 v1(237.719,171.526)
FPGA_IN_0: AVR.98 FPGA_.6 | length 104.3
  Top Layer w0.1: AVR.98@168.85,174.82 168.85,173.515 169.131,173.234 169.363,173.234 169.412,173.186 169.412,165.157 171.094,163.474 171.094,158.013 v1(171.044,157.963) ; v1(237.984,145.886) FPGA_.6@252.383,145.886
  Bottom Layer w0.1: v1(171.044,157.963) 171.335,157.671 226.199,157.671 v1(237.984,145.886)
FPGA_IN_1: AVR.100 FPGA_.14 | length 118.1
  Top Layer w0.1: AVR.100@169.85,174.82 169.85,173.456 170.8,172.506 170.8,164.354 171.45,163.704 171.45,158.979 171.704,158.725 v1(171.704,152.654) ; FPGA_.14@252.383,141.886 255.551,141.886 v1(255.854,142.189)
  Bottom Layer w0.1: v1(171.704,152.654) 217.17,152.654 224.638,145.186 243.891,145.186 245.008,146.304 255.372,146.304 255.854,145.821 v1(255.854,142.189)
FPGA_IN_2: AVR.102 FPGA_.20 | length 116.5
  Top Layer w0.1: AVR.102@170.85,174.82 170.85,173.38 171.882,172.349 171.882,166.741 172.276,166.346 172.276,164.707 v1(171.882,164.313) ; FPGA_.20@252.383,138.886 253.314,138.886 254.381,137.819 254.381,137.541 254.61,137.312 255.753,137.312 256.21,137.77 v1(256.21,140.843)
  Bottom Layer w0.1: v1(171.882,164.313) 187.782,164.313 194.223,157.871 226.354,157.871 235.712,148.514 253.746,148.514 256.515,145.745 256.515,141.148 v1(256.21,140.843)
FPGA_IN_3: AVR.104 FPGA_.26 | length 122.4
  Top Layer w0.1: AVR.104@171.85,174.82 171.85,173.5 172.607,172.743 172.607,167.068 v1(173.126,166.548) ; FPGA_.26@252.383,135.886 253.035,135.886 253.191,136.042 257.683,136.042 259.08,137.439 v1(259.283,137.439)
  Bottom Layer w0.1: v1(173.126,166.548) 173.126,166.229 174.357,164.998 188.646,164.998 191.541,162.103 205.435,162.103 207.213,160.325 230.429,160.325 234.239,156.515 248.818,156.515 250.495,154.838 254.813,154.838 256.377,153.274 256.377,151.064 258.724,148.717 258.724,144.994 259.336,144.382 259.336,137.492 v1(259.283,137.439)
FPGA_IN_4: AVR.106 FPGA_.32 | length 133.9
  Top Layer w0.1: AVR.106@172.85,174.82 172.85,173.377 173.152,173.076 173.152,168.58 174.16,167.572 174.16,148.242 v1(174.346,148.057) ; v1(251.028,133.02) 251.162,132.886 FPGA_.32@252.383,132.886
  Bottom Layer w0.1: v1(174.346,148.057) 201.041,121.361 250.546,121.361 255.727,126.543 255.727,131.826 254.533,133.02 v1(251.028,133.02)
FPGA_IN_5: AVR.111 FPGA_.43 | length 134.3
  Top Layer w0.1: AVR.111@175.7,177.67 181.765,177.67 188.62,170.815 188.62,120.294 189.078,119.837 209.398,119.837 v1(211.836,122.276) ; v1(244.399,122.225) 244.399,123.698 247.04,126.34 249.596,126.34 250.642,127.386 FPGA_.43@252.383,127.386
  Bottom Layer w0.1: v1(211.836,122.276) 211.887,122.225 v1(244.399,122.225)
FPGA_IN_6: AVR.113 FPGA_.51 | length 128.1
  Top Layer w0.1: AVR.113@175.7,178.67 179.04,178.67 179.325,178.385 182.295,178.385 190.703,169.977 v1(190.703,128.549) ; FPGA_.51@252.383,123.386 253.162,123.386 253.314,123.234 253.314,122.276 v1(252.425,121.387)
  Bottom Layer w0.1: v1(190.703,128.549) 193.269,128.549 200.66,121.158 252.197,121.158 v1(252.425,121.387)
FPGA_IN_7: AVR.115 FPGA_.54 | length 146.2
  Top Layer w0.1: AVR.115@175.7,179.67 179.04,179.67 179.065,179.695 180.34,179.695 180.365,179.67 185.607,179.67 193.243,172.034 v1(193.243,121.412) ; v1(254.203,123.317) 253.797,122.911 253.797,120.294 254.229,119.863 254.831,119.863 254.958,119.99 FPGA_.54@254.958,120.811
  Bottom Layer w0.1: v1(193.243,121.412) 194.615,120.04 254.5,120.04 255.607,121.148 256.468,121.148 257.241,121.92 257.241,122.733 256.997,122.976 254.544,122.976 v1(254.203,123.317)
FPGA_IN_8: AVR.119 FPGA_.57 | length 137.9
  Top Layer w0.1: AVR.119@175.7,181.67 177.003,181.67 178.779,179.895 180.52,179.895 180.53,179.885 187.459,179.885 199.212,168.132 199.212,120.294 199.466,120.04 202.184,120.04 205.207,123.063 213.462,123.063 216.873,119.652 256.101,119.652 256.458,120.009 FPGA_.57@256.458,120.811
FPGA_IN_9: AVR.121 FPGA_.58 | length 138.1
  Top Layer w0.1: AVR.121@175.7,182.67 178.003,182.67 180.379,180.295 190.059,180.295 199.923,170.43 v1(199.923,120.701) ; v1(256.591,122.326) 256.958,121.959 FPGA_.58@256.958,120.811
  Bottom Layer w0.1: v1(199.923,120.701) 200,120.625 254.585,120.625 256.287,122.326 v1(256.591,122.326)
FPGA_IN_10: AVR.122 FPGA_.71 | length 134.5
  Top Layer w0.1: AVR.122@175.7,183.17 179.136,183.17 v1(179.349,182.956) ; v1(188.112,178.206) 194.005,172.314 194.005,148.615 v1(197.637,144.983) ; v1(260.858,134.137) 261.366,133.629 261.366,124.765 263.458,122.673 FPGA_.71@263.458,120.811
  Bottom Layer w0.1: v1(179.349,182.956) 183.363,182.956 v1(188.112,178.206) ; v1(197.637,144.983) 222.098,144.983 222.342,144.739 250.612,144.739 252.197,143.154 252.197,142.69 257.277,137.61 257.277,136.776 259.915,134.137 v1(260.858,134.137)
FPGA_IN_11: AVR.123 FPGA_.72 | length 140.2
  Top Layer w0.1: AVR.123@175.7,183.67 180.035,183.67 180.465,183.24 180.465,180.848 180.818,180.495 196.06,180.495 200.609,175.946 v1(200.609,159.309) ; v1(260.401,136.017) 261.569,134.849 261.569,124.968 262.128,124.409 263.501,124.409 263.958,123.952 FPGA_.72@263.958,120.811
  Bottom Layer w0.1: v1(200.609,159.309) 226.097,159.309 230.136,155.27 247.32,155.27 251.638,150.952 255.905,150.952 258.089,148.768 258.089,145.257 259.136,144.211 259.136,142.982 258.63,142.476 258.63,136.763 259.376,136.017 v1(260.401,136.017)
FPGA_IN_12: AVR.126 FPGA_.91 | length 153.8
  Top Layer w0.1: v1(171.526,180.67) 171.526,184.506 172.645,185.624 173.776,185.624 174.23,185.17 AVR.126@175.7,185.17 ; v1(264.262,147.32) 264.262,134.645 v1(267.157,131.75) ; v1(272.821,124.612) 272.821,124.348 273.458,123.712 FPGA_.91@273.458,120.811
  Bottom Layer w0.1: v1(171.526,180.67) 171.526,180.061 172.263,179.324 178.259,179.324 178.83,179.895 180.54,179.895 184.727,175.707 242.885,175.707 247.904,170.688 251.689,170.688 257.902,164.474 257.902,156.464 258.32,156.046 260.299,156.046 260.773,155.572 260.773,150.809 v1(264.262,147.32) ; v1(267.157,131.75) 272.618,126.289 272.618,124.816 v1(272.821,124.612)
FPGA_IN_13: AVR.127 FPGA_.101 | length 156.1
  Top Layer w0.1: AVR.127@175.7,185.67 181.481,185.67 182.143,186.332 192.204,186.332 201.549,176.987 v1(201.549,158.521) ; v1(257.15,146.99) 259.461,144.678 259.461,140.767 261.645,138.582 261.645,136.398 266.217,131.826 266.217,131.267 267.564,129.921 267.564,125.908 267.919,125.552 273.518,125.552 274.498,126.532 276.174,126.532 277.612,125.095 279.271,125.095 280.008,124.358 280.008,123.979 280.314,123.673 280.467,123.673 280.772,123.368 280.772,120.091 280.543,119.863 278.585,119.863 278.458,119.99 FPGA_.101@278.458,120.811
  Bottom Layer w0.1: v1(201.549,158.521) 226.579,158.521 230.287,154.813 247.494,154.813 251.609,150.698 253.441,150.698 v1(257.15,146.99)
FPGA_IN_14: AVR.132 FPGA_.110 | length 176.2
  Top Layer w0.1: AVR.132@175.7,188.17 177.92,188.17 178.758,187.332 184.274,187.332 186.73,189.789 186.73,200.269 188.443,201.981 227.635,201.981 248.742,180.873 248.742,153.467 252.933,149.276 259.512,149.276 259.842,148.946 259.842,140.716 264.058,136.5 264.058,134.518 266.433,132.144 266.433,131.484 267.005,130.912 267.665,130.912 267.836,130.741 267.836,126.6 268.63,125.806 272.085,125.806 273.011,126.732 276.276,126.732 277.622,125.386 FPGA_.110@282.033,125.386
FPGA_IN_15: AVR.133 FPGA_.118 | length 147.5
  Top Layer w0.1: v1(173.482,188.265) 173.887,188.67 AVR.133@175.7,188.67 ; v1(265.735,158.725) 265.735,153.264 v1(265.938,153.06) ; v1(269.088,148.666) 269.763,147.991 269.763,137.151 277.528,129.386 FPGA_.118@282.033,129.386
  Bottom Layer w0.1: v1(173.482,188.265) 173.482,187.858 185.433,175.907 243.167,175.907 247.287,171.787 252.672,171.787 v1(265.735,158.725) ; v1(265.938,153.06) 265.938,149.53 267.132,148.336 268.757,148.336 v1(269.088,148.666)
FPGA_IN_16: AVR.134 FPGA_.124 | length 148.3
  Top Layer w0.1: AVR.134@175.7,189.17 178.486,189.17 v1(179.289,188.366) ; v1(219.456,161.036) v1(219.456,176.886) ; v1(280.645,132.791) 281.05,132.386 FPGA_.124@282.033,132.386
  Bottom Layer w0.1: v1(179.289,188.366) 181.321,186.334 197.689,186.334 207.138,176.886 v1(219.456,176.886) ; v1(219.456,161.036) 235.229,161.036 239.268,156.997 251.384,156.997 252.882,155.499 255.191,155.499 255.761,156.069 256.846,156.069 257.061,155.854 257.061,154.637 257.251,154.447 258.709,154.447 260.35,152.806 260.35,150.597 259.588,149.835 259.588,142.088 264.211,137.465 276.986,137.465 280.645,133.807 v1(280.645,132.791)
FPGA_IN_17: AVR.135 FPGA_.130 | length 154
  Top Layer w0.1: AVR.135@175.7,189.67 179.824,189.67 v1(181.407,188.087) ; v1(198.552,187.096) 203.302,182.347 v1(203.302,144.247) ; v1(277.673,135.23) 281.051,135.23 281.207,135.386 FPGA_.130@282.033,135.386
  Bottom Layer w0.1: v1(181.407,188.087) 182.397,187.096 v1(198.552,187.096) ; v1(203.302,144.247) 204.775,142.773 214.655,142.773 214.935,143.053 243.256,143.053 243.459,142.85 251.746,142.85 255.932,138.664 255.932,137.708 260.747,132.893 275.336,132.893 v1(277.673,135.23)
FPGA_IN_18: AVR.136 FPGA_.136 | length 154.5
  Top Layer w0.1: AVR.136@175.7,190.17 179.604,190.17 v1(179.756,190.322) ; v1(212.242,187.858) 212.242,151.79 v1(217.526,146.507) ; v1(274.745,133.985) 279.146,138.386 FPGA_.136@282.033,138.386
  Bottom Layer w0.1: v1(179.756,190.322) 180.645,189.433 181.178,189.433 182.753,187.858 v1(212.242,187.858) ; v1(217.526,146.507) 221.742,146.507 223.31,144.939 251.961,144.939 253.981,142.919 253.981,141.214 254.692,140.503 255.297,140.503 257.908,137.891 257.908,137.189 258.152,136.945 258.152,136.288 259.617,134.823 261.595,134.823 262.433,133.985 v1(274.745,133.985)
FPGA_IN_19: AVR.137 FPGA_.142 | length 161.2
  Top Layer w0.1: AVR.137@175.7,190.67 178.098,190.67 178.4,190.972 180.035,190.972 180.406,190.602 180.406,189.926 180.848,189.484 185.191,189.484 v1(185.979,190.271) ; v1(260.96,189.306) 260.96,189.281 261.112,189.128 261.724,189.128 262.192,188.661 263.942,188.661 264.439,188.163 264.439,172.593 264.135,172.288 264.135,170.18 266.497,167.818 v1(266.497,154.076) ; FPGA_.142@282.033,141.386 281.305,141.386 278.892,143.799 278.892,145.059 278.359,145.593 278.359,146.81 282.296,150.747 v1(282.296,151.409)
  Bottom Layer w0.1: v1(185.979,190.271) 186.385,189.865 213.33,189.865 213.888,189.306 v1(260.96,189.306) ; v1(266.497,154.076) 266.497,154.864 266.954,155.321 268.263,155.321 268.732,154.852 268.732,151.181 269.377,150.536 273.751,150.536 273.787,150.501 281.387,150.501 v1(282.296,151.409)
FPGA_IN_20: AVR.139 FPGA_.148 | length 158.1
  Top Layer w0.1: AVR.139@175.7,191.67 v1(179.911,191.67) ; v1(273.685,153.848) 273.685,154.36 274.295,154.969 v1(274.295,179.451) ; FPGA_.148@282.033,144.386 284.213,144.386 284.658,144.831 284.658,147.828 284.846,148.016 285.659,148.016 285.953,148.311 285.953,149.682 v1(285.369,150.266)
  Bottom Layer w0.1: v1(179.911,191.67) 182.529,191.67 185.272,188.927 213.487,188.927 221.642,180.772 272.974,180.772 v1(274.295,179.451) ; v1(273.685,153.848) 274.21,154.372 277.607,154.372 277.9,154.08 277.9,153.008 276.99,152.098 276.99,151.735 277.559,151.166 279.781,151.166 281.422,152.806 281.422,153.164 281.877,153.619 282.981,153.619 284.683,151.917 284.683,150.952 v1(285.369,150.266)
FPGA_IN_21: AVR.140 FPGA_.154 | length 149.1
  Top Layer w0.1: v1(173.076,191.967) 173.279,192.17 AVR.140@175.7,192.17 ; v1(268.58,156.032) v1(268.58,171.729) ; FPGA_.154@282.033,147.386 281.229,147.386 281.108,147.507 281.108,148.571 283.718,151.181 v1(283.921,151.181)
  Bottom Layer w0.1: v1(173.076,191.967) 176.026,189.016 179.714,189.016 179.958,188.773 179.958,188.348 181.413,186.893 197.439,186.893 206.177,178.156 259.563,178.156 262.634,175.084 265.225,175.084 v1(268.58,171.729) ; v1(268.58,156.032) 269.04,155.572 269.04,151.885 270.189,150.736 273.963,150.736 273.998,150.701 280.404,150.701 281.795,152.092 283.01,152.092 v1(283.921,151.181)
FPGA_IN_22: AVR.141 FPGA_.159 | length 134.2
  Top Layer w0.1: AVR.141@175.7,192.67 180.71,192.67 181.153,192.227 v1(181.153,190.297) ; FPGA_.159@278.958,150.461 278.958,152.814 279.872,153.728 279.872,155.028 279.436,155.465 279.436,158.09 279.705,158.359 280.985,158.359 v1(281.838,157.505)
  Bottom Layer w0.1: v1(181.153,190.297) 182.931,188.519 212.928,188.519 222.631,178.816 259.766,178.816 263.195,175.387 266.192,175.387 281.838,159.741 v1(281.838,157.505)
FPGA_IN_23: AVR.142 FPGA_.169 | length 144.1
  Top Layer w0.1: AVR.142@175.7,193.17 177.14,193.17 v1(179.016,195.047) ; FPGA_.169@273.958,150.461 273.958,152.444 274.489,152.976 274.489,154.687 274.571,158.594 278.054,162.077 v1(278.054,186.055)
  Bottom Layer w0.1: v1(179.016,195.047) 187.401,195.047 190.449,191.999 272.11,191.999 v1(278.054,186.055)
FPGA_IN_24: AVR.143 FPGA_.174 | length 137.4
  Top Layer w0.1: AVR.143@175.7,193.67 176.987,193.67 177.241,193.924 177.241,195.478 177.47,195.707 182.626,195.707 182.651,195.682 v1(182.651,190.144) ; FPGA_.174@271.458,150.461 271.458,151.24 272.142,151.924 272.898,151.924 273.038,152.065 273.038,152.795 272.364,153.469 272.364,172.999 v1(271.78,173.584)
  Bottom Layer w0.1: v1(182.651,190.144) 184.069,188.727 213.288,188.727 222.999,179.016 270.488,179.016 271.78,177.724 v1(271.78,173.584)
FPGA_IN_25: AVR.144 FPGA_.175 | length 142
  Top Layer w0.1: v1(175.006,194.97) 175.006,194.17 AVR.144@175.7,194.17 ; v1(263.576,186.487) 263.931,186.131 263.931,155.2 264.362,154.769 264.973,154.769 265.213,154.529 265.213,152.058 265.278,151.994 266.192,151.994 266.906,152.707 268.63,152.707 269.04,153.117 269.04,153.953 269.672,154.584 271.882,154.584 272.136,154.33 272.136,153.478 271.043,152.386 271.043,151.435 270.958,151.349 FPGA_.175@270.958,150.461
  Bottom Layer w0.1: v1(175.006,194.97) 177.509,192.468 182.843,192.468 186.183,189.127 213.688,189.127 216.125,186.69 263.373,186.69 v1(263.576,186.487)
FPGA_IN_26: AVR.1 FPGA_.183 | length 141.1
  Top Layer w0.1: v1(173.609,194.195) 173.85,194.436 AVR.1@173.85,196.02 ; v1(263.627,188.011) 262.738,187.122 262.738,186.04 263.423,185.354 263.423,155.245 264.099,154.569 264.77,154.569 265.01,154.329 265.01,151.804 266.653,151.689 266.958,151.384 FPGA_.183@266.958,150.461
  Bottom Layer w0.1: v1(173.609,194.195) 173.609,195.682 174.219,196.291 176.886,196.291 177.292,195.885 177.292,193.065 185.191,192.938 186.461,191.668 262.534,191.668 263.627,190.576 v1(263.627,188.011)
FPGA_IN_27: AVR.2 FPGA_.184 | length 137.9
  Top Layer w0.1: AVR.2@173.35,196.02 173.35,197.51 173.909,198.069 v1(175.59,198.069) ; v1(256.007,194.386) 258.826,191.567 259.817,191.567 259.994,191.389 259.994,184.887 259.207,184.099 259.207,170.028 259.69,169.545 261.722,169.545 263.157,168.11 263.157,154.838 263.626,154.369 264.566,154.369 264.81,154.126 264.81,151.587 264.962,151.435 266.306,151.435 266.458,151.282 FPGA_.184@266.458,150.461
  Bottom Layer w0.1: v1(175.59,198.069) 184.785,198.069 188.468,194.386 v1(256.007,194.386)
FPGA_IN_28: AVR.4 FPGA_.194 | length 135
  Top Layer w0.1: AVR.4@172.35,196.02 v1(172.35,199.822) ; v1(251.46,195.885) 251.46,171.272 261.849,160.884 261.849,156.108 260.74,154.999 260.74,152.214 261.458,151.495 FPGA_.194@261.458,150.461
  Bottom Layer w0.1: v1(172.35,199.822) 186.766,199.822 190.703,195.885 v1(251.46,195.885)